# Allegro board FH8856v300_APP_BOARD_V1_PCB.brd
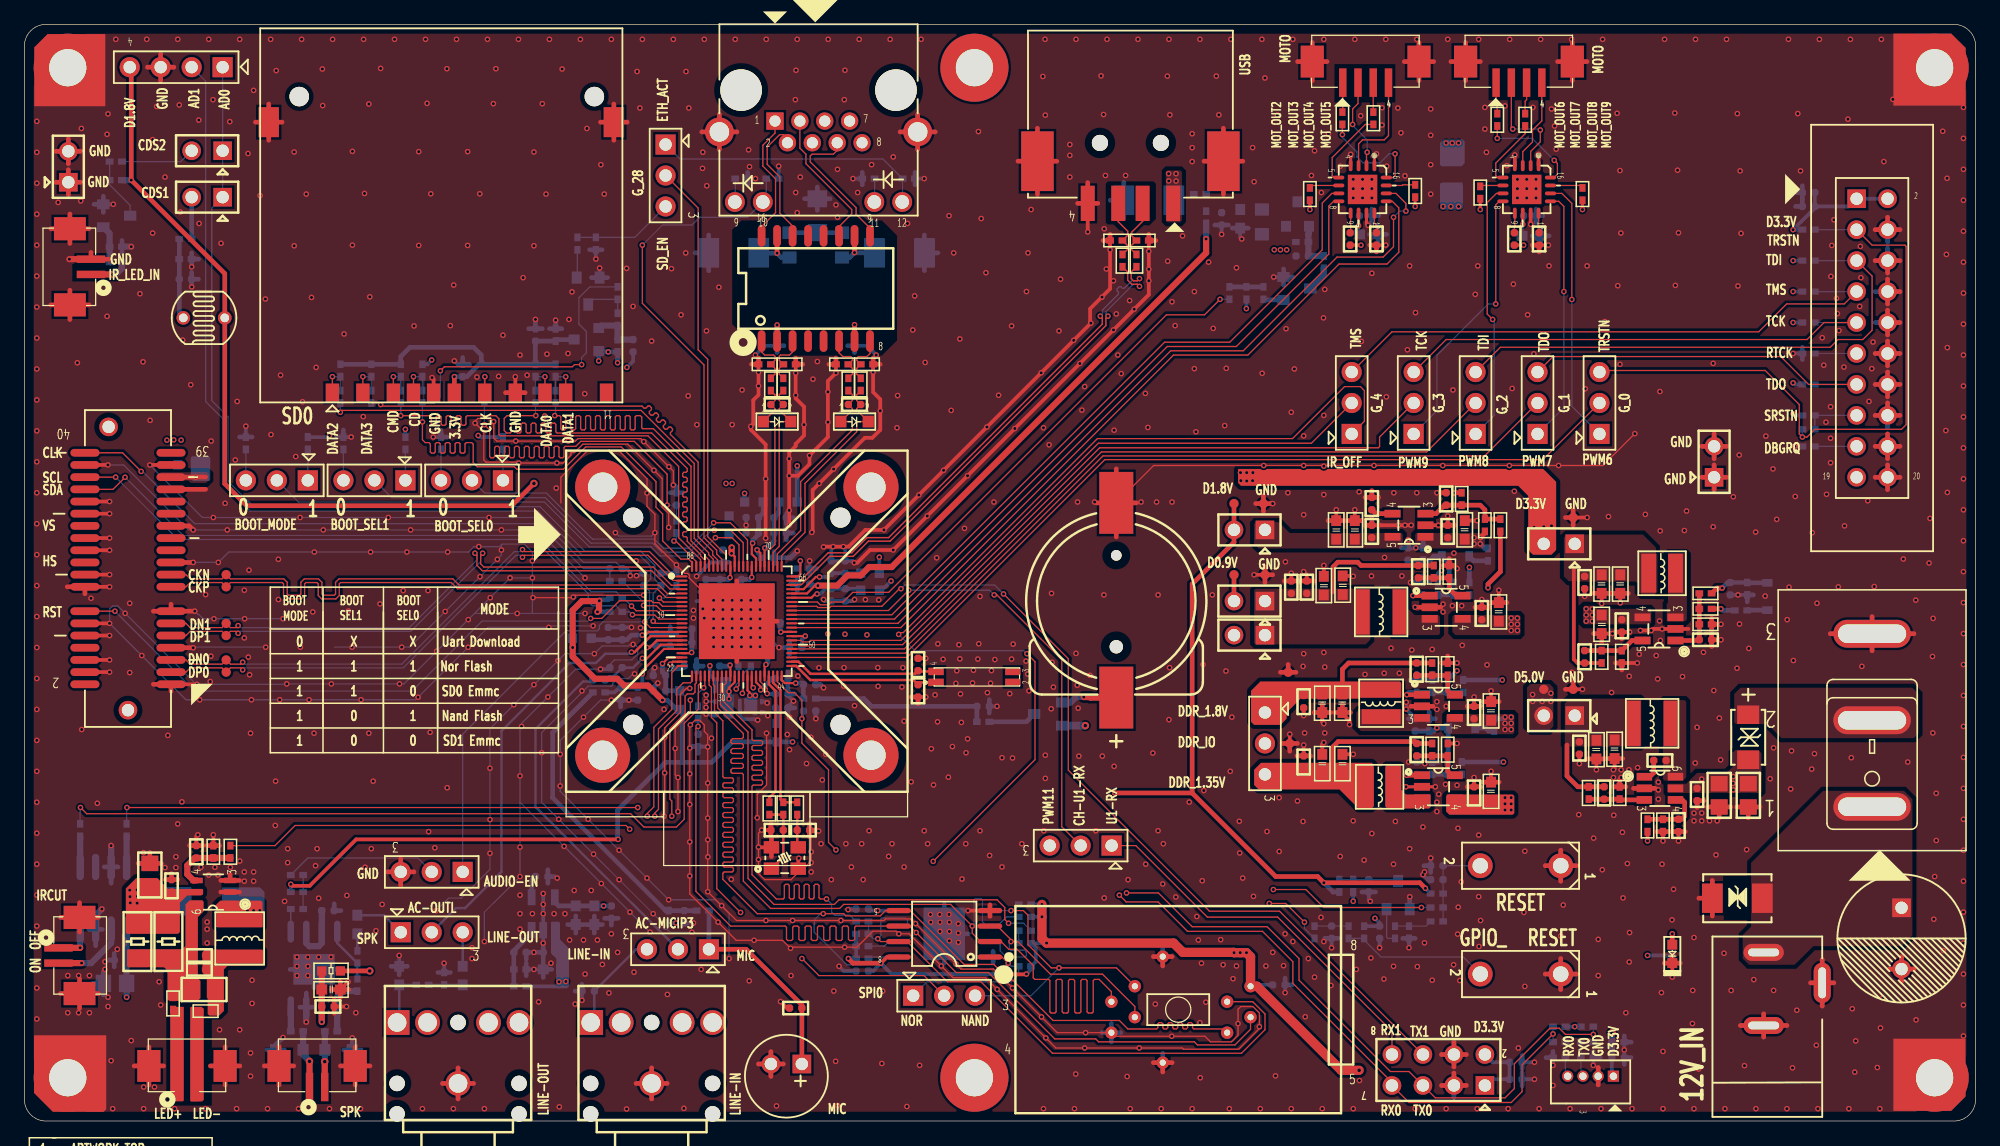
[diagram p0: board, top side]
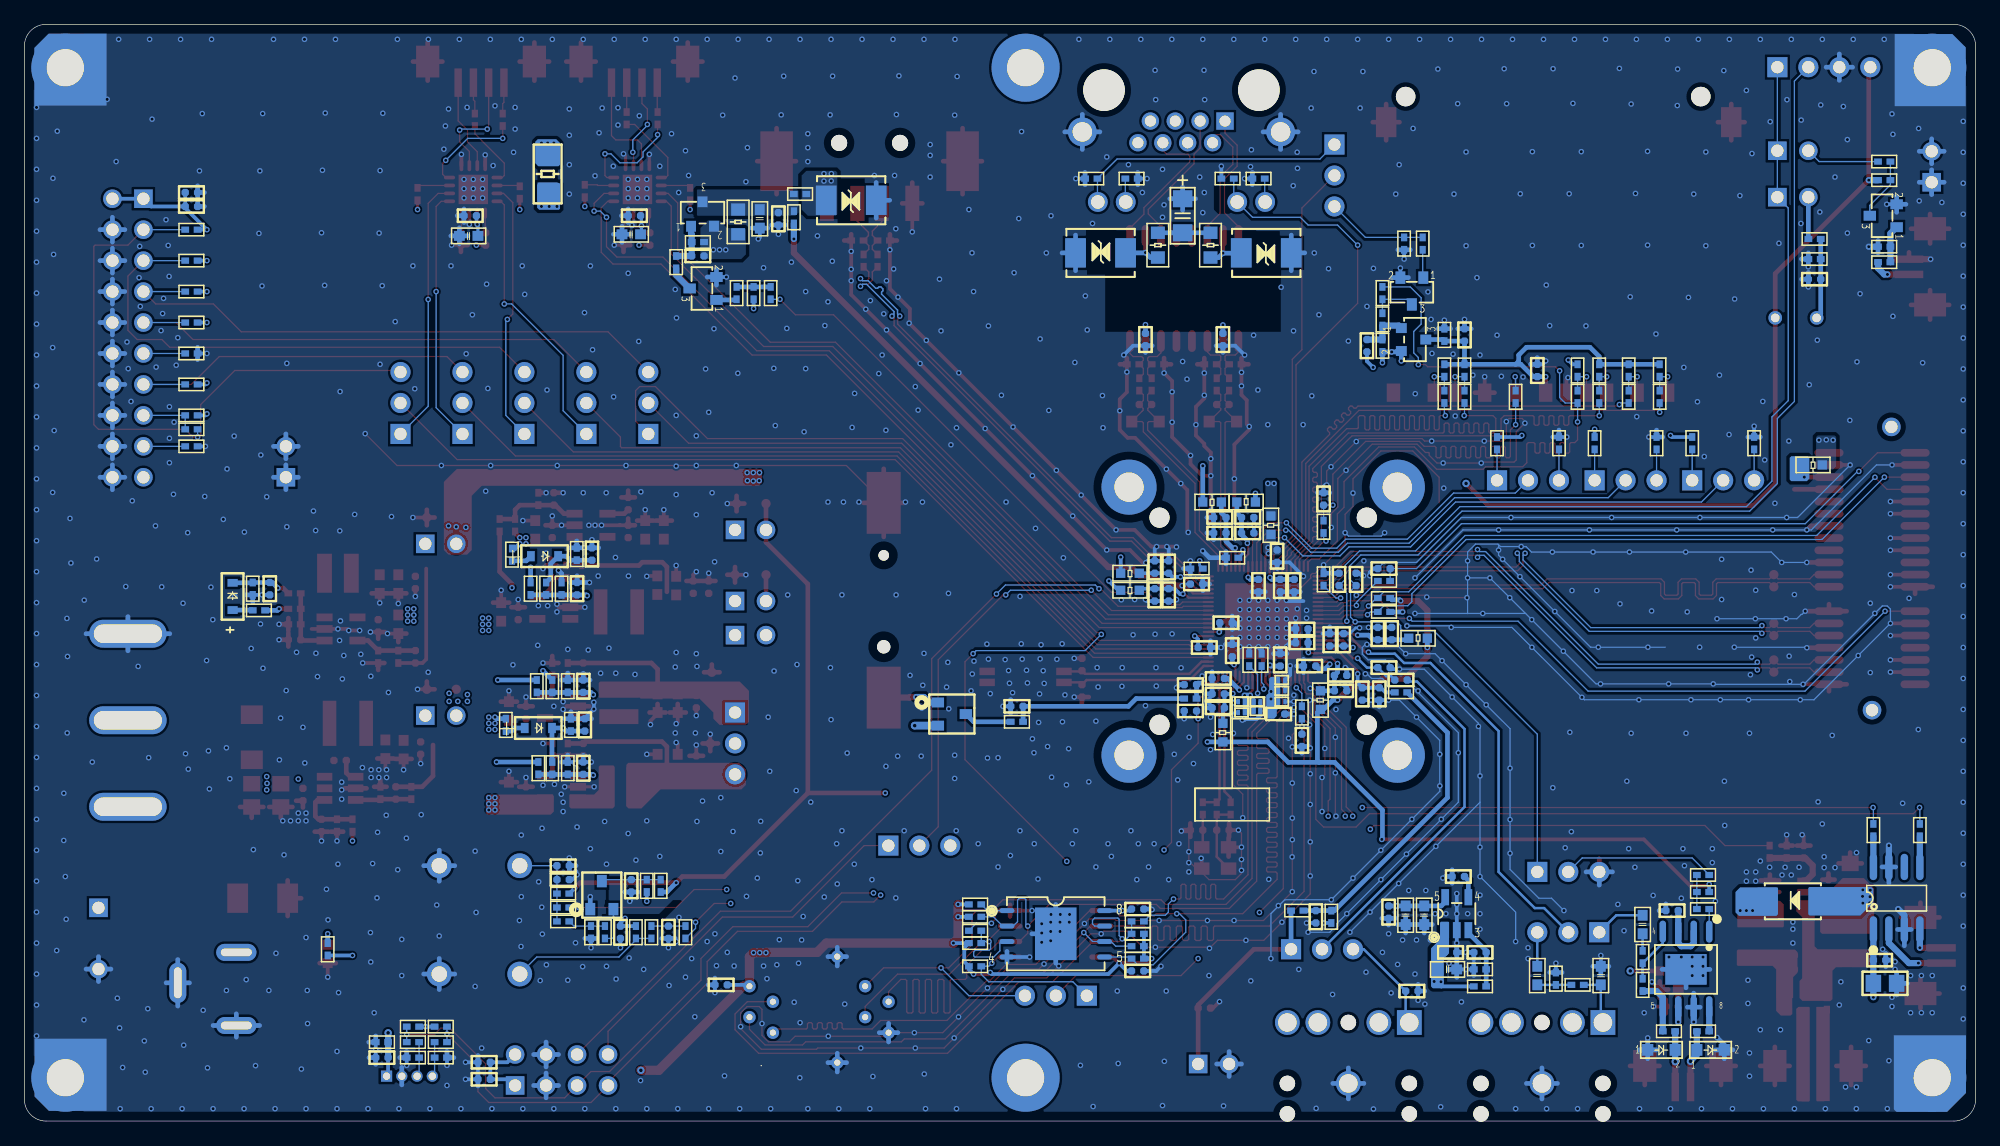
[diagram p1: board, bottom side, seen from below]

Outline 160 x 90 mm; copper layers: TOP, GND, VCC, BOTTOM. Coordinates in mm from the lower left corner of the outline.
Outline path: 0,88.22 arc(0.52,89.48) 1.78,90 158.22,90 arc(159.48,89.48) 160,88.22 160,1.78 arc(159.48,0.52) 158.22,0 1.78,0 arc(0.52,0.52) 0,1.78 0,88.22

## Design rules (mm)
net group ARM_JTAG_TRSTN: nets ARM_JTAG_TRSTN JTAG_SRSTN
net group CDS1: nets CDS1 N00509
net group CIS_CLK: nets CIS_CLK N16786493
net group DDR_D1.8V: nets DDR_D1.8V N15061
net group EN2: nets EN2 N11558
net group EN3: nets EN3 N17828
net group GPIO_RESET: nets GPIO_RESET N06017
net group IR_LED_IN: nets IR_LED_IN N12968
net group MOTO_OUT_2: nets MOTO_OUT_2 N16674187
net group MOTO_OUT_4: nets MOTO_OUT_4 N16674222
net group MOTO_OUT_6: nets MOTO_OUT_6 N16674257
net group MOTO_OUT_8: nets MOTO_OUT_8 N16674292
net group SPI1: nets NOR_CS SPI0_CSN_0
net group USB_PWREN: nets N08717 USB_PWREN
net group USBN: nets USB_DM USBN
net group USBP: nets USB_DP USBP
net group CDS2: nets CDS2 CIS_SCL CIS_SDA N07170 N13141 N16750268 N16750308 N16751673 N16786550 N16786676 N16794051 N16800878
net group CLK_IN: nets CLK_IN CLK_OUT N16795922 N16795926
net group EN1: nets EN1 N15235 N20335
net group EPHY_RXN: nets N16425817
net group EPHY_RXP: nets N16425841
net group EPHY_TXN: nets N16425857
net group EPHY_TXP: nets N16425869
net group HOLD: nets HOLD
net group LAN: nets EPHY_RXN EPHY_RXP EPHY_TXN EPHY_TXP PHY_RN PHY_RP PHY_TN PHY_TP
net group LDO_MICBIAS: nets LDO_MICBIAS N58665 N58697
net group N09603: nets N09603
net group N09903: nets N09903
net group N12324: nets N12328
net group RESETN: nets N06505 N06945 N06949 RESETN
net group RTC_VBAT: nets N16520538 N16795478 RTC_VBAT
net group SD0_3.3V: nets N00760 N00772 N00784 N00796 N00832 N00844 N08811 N09124 SD0_3.3V SD0_CD SD0_CMD SD0_DATA_0 SD0_DATA_1 SD0_DATA_2 SD0_DATA_3
net group SD0_CLK: nets N00808 N16609598 SD0_CLK
net group SPI: nets NAND_CS SPI0_D_2 SPI0_D_3
net group SPI0_CLK: nets N16589672
net group SPI0_D_2: nets WP
net group USB_VBUS: nets USB_VBUS
net group VM: nets N16569733 N16571270 VM

## Placement (name value [footprint] x y rotation side)
BT1  Battery  [BAT-22_8-10]  89.53 42.67 270 top
C1  100nF/10V  [C0402]  134.11 29.59 0 top
C2  100nF/25V  [C0402]  137.16 26.8 270 top
C3  470uF/35V  [DE10MM-H16]  153.92 14.99 270 top
C4  10uF/25V  [C0805]  141.36 26.73 270 top
C5  10uF/25V  [C0805]  138.97 26.73 270 top
C6  22uF/10V  [C0603]  128.91 30.48 270 top
C7  100nF/10V  [C0402]  127.51 30.61 270 top
C8  20pF/50V  [C0402]  129.54 26.92 270 top
C9  10uF/10V  [C0603]  130.4 30.51 270 top
C10  100nF/25V  [C0402]  135.64 24.26 90 top
C11  10uF/10V  [C0603]  129.34 40.77 90 top
C12  100nF/10V  [C0402]  130.99 40.64 90 top
C13  20pF/50V  [C0402]  127.94 38.1 90 top
C14  22uF/6.3V  [C0603]  129.34 44.07 270 top
C15  22uF/6.3V  [C0603]  130.86 44.07 270 top
C16  100nF/6.3V  [C0402]  127.94 44.2 270 top
C17  10uF/10V  [C0603]  118.11 48.51 270 top
C18  100nF/10V  [C0402]  116.71 48.39 270 top
C19  22uF/6.3V  [C0603]  107.57 48.51 90 top
C20  (*)  [C0402]  137.85 39.5 180 top
C21  22uF/6.3V  [C0603]  109.09 48.51 90 top
C22  100nF/6.3V  [C0402]  110.49 48.39 90 top
C23  (*)  [C0402]  116.59 51.05 270 top
C24  10nF/50V  [C0402]  110.49 50.67 90 top
C25  10uF/10V  [C0603]  120.27 33.66 270 top
C26  100nF/10V  [C0402]  118.87 33.53 270 top
C27  20pF/50V  [C0402]  114.17 37.08 270 top
C28  22uF/6.3V  [C0603]  108.08 34.29 270 top
C29  22uF/6.3V  [C0603]  106.43 34.29 270 top
C30  100nF/6.3V  [C0402]  104.9 34.42 270 top
C31  (*)  [C0402]  114.17 35.69 270 bottom
C32  100nF/10V  [C0402]  114.05 32.51 90 bottom
C33  100nF/10V  [C0402]  113.46 46.53 90 bottom
C34  10uF/10V  [C0603]  120.9 41.78 270 top
C35  100nF/10V  [C0402]  119.51 41.66 270 top
C36  20pF/50V  [C0402]  114.3 45.09 270 top
C37  22uF/6.3V  [C0603]  108.1 43.98 90 top
C38  22uF/6.3V  [C0603]  106.55 43.94 90 top
C39  10uF/6.3V  [C0402]  105.16 43.81 90 top
C40  100nF/6.3V  [C0402]  103.89 43.81 90 top
C41  100nF/10V  [C0402]  114.68 43.69 270 bottom
C42  10uF/6.3V  [C0402]  66.17 45.47 90 bottom
C43  100nF/6.3V  [C0402]  67.31 45.47 90 bottom
C44  100nF/6.3V  [C0402]  50.8 44.45 90 bottom
C45  10uF/6.3V  [C0402]  62.1 33.91 180 bottom
C46  10uF/6.3V  [C0402]  62.1 36.32 180 bottom
C47  100nF/6.3V  [C0402]  52.07 35.31 0 bottom
C48  10uF/6.3V  [C0402]  57.15 33.4 180 bottom
C49  10uF/6.3V  [C0402]  67.31 43.18 270 bottom
C50  100nF/6.3V  [C0402]  62.1 35.05 180 bottom
C51  100nF/6.3V  [C0402]  66.17 43.18 270 bottom
C52  15pF/50V  [C0402]  48.51 45.34 180 bottom
C53  10uF/6.3V  [C0402]  49.02 40.01 90 bottom
C54  100nF/6.3V  [C0402]  47.88 40.01 90 bottom
C55  5.6pF/50V  [C0402]  48.51 37.21 180 bottom
C56  1uF/6.3V  [C0402]  47.12 36.2 180 bottom
C57  100nF/6.3V  [C0201]  56.9 34.42 180 bottom
C58  100nF/6.3V  [C0201]  58.93 34.42 180 bottom
C59  1uF/25V  [C0402]  24.89 17.27 180 bottom
C60  100nF/6.3V  [C0402]  102.87 11.18 0 bottom
C61  100nF/6.3V  [C0402]  58.8 43.94 270 bottom
C62  100nF/10V  [C0402]  139.88 43.69 270 bottom
C63  10uF/6.3V  [C0402]  52.07 36.58 0 bottom
C64  10uF/10V  [C0603]  120.27 27.05 270 top
C65  100nF/10V  [C0402]  118.87 26.92 270 top
C66  20pF/50V  [C0402]  114.17 30.48 270 top
C67  22uF/6.3V  [C0603]  108.08 29.34 90 top
C68  22uF/6.3V  [C0603]  106.43 29.34 90 top
C69  100nF/6.3V  [C0402]  104.9 29.46 90 top
C70  (*)  [C0402]  114.17 28.96 270 bottom
C71  10uF/10V  [C0603]  25.15 10.79 180 top
C72  100nF/50V  [C0402]  24.89 9.4 180 top
C73  390nF/25V  [C0603]  27.3 16.13 270 bottom
C74  100nF/6.3V  [C0402]  51.82 39.5 90 bottom
C75  10uF/6.3V  [C0402]  52.96 39.5 90 bottom
C77  100nF/6.3V  [C0402]  64.39 35.81 180 bottom
C78  10pF/50V COG  [C0402]  61.72 23.88 0 top
C79  6.2pF/50V  [C0402]  73.28 35.31 90 top
C80  10pF/50V COG  [C0402]  63.88 23.88 180 top
C81  6.2pF/50V  [C0402]  73.28 37.47 270 top
C82  100nF/6.3V  [C0402]  57.28 46.35 90 bottom
C83  100nF/6.3V  [C0402]  54.61 37.34 180 bottom
C85  100nF/6.3V  [C0402]  63.25 38.86 0 bottom
C86  100nF/25V  [C0402]  14.35 13.59 0 top
C87  100nF/25V  [C0402]  14.1 22.1 90 top
C88  10uF/6.3V  [C0402]  55.24 39.24 0 bottom
C89  100nF/6.3V  [C0402]  55.24 40.39 0 bottom
C90  100nF/6.3V  [C0402]  57.02 43.94 270 bottom
C91  100nF/6.3V  [C0402]  60.96 38.61 90 bottom
C92  100nF/6.3V  [C0402]  61.47 40.89 180 bottom
C93  100nF/6.3V  [C0402]  55.88 43.94 270 bottom
C94  22uF/25V  [C0805]  14.73 10.79 0 top
C95  2.2uF/50V  [C0402]  14.35 12.45 0 top
C96  100nF/6.3V  [C0402]  49.91 63.63 90 bottom
C97  100nF/6.3V  [C0402]  52.2 44.45 90 bottom
C98  100nF/6.3V  [C0201]  58.93 33.66 180 bottom
C99  1uF/10V  [C0402]  104.78 70.99 0 bottom
C100  100nF/6.3V  [C0402]  68.71 12.32 0 bottom
C101  100nF/6.3V  [C0402]  68.71 17.4 180 bottom
C102  100nF/6.3V  [C0402]  78.61 34.04 0 bottom
C103  100nF/6.3V  [C0402]  35.94 61.59 90 bottom
C104  100nF/6.3V  [C0402]  41.91 64.52 90 bottom
C105  10uF/25V  [C0805]  10.29 20.19 90 top
C106  100nF/25V  [C0402]  12.06 19.3 90 top
C107  22uF/10V  [C0603]  43.31 12.45 0 bottom
C108  5.6pF/50V  [C0402]  63.25 9.27 180 top
C109  100nF/10V  [C0402]  43.05 13.84 0 bottom
C110  22uF/6.3V  [C0603]  45.21 16.89 270 bottom
C111  22uF/6.3V  [C0603]  46.74 16.89 270 bottom
C112  100nF/6.3V  [C0402]  48.13 17.14 270 bottom
C113  4.7uF/6.3V  [C0402]  54.1 16.76 270 bottom
C114  4.7uF/6.3V  [C0402]  50.29 35.05 270 bottom
C115  10nF/50V  [C0402]  42.42 20.07 0 bottom
C116  100nF/6.3V  [C0201]  56.9 35.31 180 bottom
C117  100nF/6.3V  [C0201]  56.9 36.2 180 bottom
C118  100nF/10V  [C0402]  40.64 13.84 180 bottom
C119  5.6pF/50V  [C0402]  46.23 10.67 180 bottom
C120  100nF/6.3V  [C0201]  60.2 34.42 0 bottom
C121  100nF/6.3V  [C0201]  60.2 33.53 0 bottom
C122  10uF/6.3V  [C0402]  61.98 48.26 0 bottom
C123  100nF/6.3V  [C0402]  61.98 49.53 0 bottom
C124  10uF/6.3V  [C0402]  59.69 49.53 180 bottom
C125  100nF/6.3V  [C0402]  59.69 48.26 180 bottom
C135  100nF/50V  [C0402]  48.9 35.05 270 bottom
C146  2.2uF/6.3V  [C0603]  35.94 11.94 270 bottom
C147  82nF/50V  [C0603]  30.73 11.94 90 bottom
C148  100nF/6.3V  [C0402]  130.68 5.21 0 bottom
C149  100nF/6.3V  [C0402]  13.21 69.09 0 bottom
C150  100nF/6.3V  [C0402]  146.3 75.06 0 bottom
C151  100nF/6.3V  [C0402]  146.3 76.2 180 bottom
C152  10uF/25V  [C0805]  7.43 11.3 180 bottom
C153  100nF/25V  [C0402]  7.87 13.21 180 bottom
C154  10pF/50V  [C0402]  61.72 58.8 0 top
C155  10pF/50V  [C0402]  68.07 58.8 0 top
C158  100nF/10V  [C0402]  98.17 74.04 270 bottom
C159  10uF/10V  [C0603]  99.69 74.04 270 bottom
C160  100nF/6.3V  [C0402]  111.12 15.49 270 bottom
C161  100nF/6.3V  [C0402]  107.19 15.49 270 bottom
C162  100nF/6.3V  [C0402]  110.24 19.3 270 bottom
C163  (*)  [C0402]  115.82 20.95 180 bottom
C164  100nF/6.3V  [C0402]  115.82 19.81 180 bottom
C165  100nF/25V  [C0402]  61.72 64.14 270 bottom
C166  1nF/2000V  [C1206]  65.02 74.3 270 bottom
C167  100nF/25V  [C0402]  68.07 64.14 270 bottom
C177  15pF/50V  [C0402]  55.24 31.24 270 bottom
C178  15pF/50V  [C0402]  53.47 51.05 90 bottom
C181  10uF/10V  [C0603]  123.57 72.64 180 bottom
C182  100nF/10V  [C0402]  122.17 72.39 270 top
C183  100nF/10V  [C0402]  123.44 74.3 180 bottom
C184  100nF/10V  [C0402]  109.98 74.3 180 bottom
C185  10uF/10V  [C0603]  110.24 72.77 180 bottom
C186  2.2uF/50V  [C0402]  110.87 72.39 270 top
C187  100nF/10V  [C0402]  108.71 72.39 270 top
C188  2.2uF/50V  [C0402]  124.21 72.39 270 top
C190  4.7uF/6.3V  [C0402]  64.39 33.66 180 bottom
C191  10uF/6.3V  [C0402]  57.02 37.85 90 bottom
C194  100nF/6.3V  [C0402]  122.3 3.43 0 bottom
C195  100nF/6.3V  [C0402]  122.3 4.83 180 bottom
C196  100nF/6.3V  [C0402]  63.88 44.07 0 bottom
CN1  Audio  [PHONE_JACK]  51.44 5.59 180 top
CN5  Audio  [PHONE_JACK]  35.56 5.59 180 top
D1  B250A-13F  [DO-214AC]  141.35 31.5 270 top
D2  SMBJ15CA  [DO-214AA]  140.46 18.29 0 top
D3  LED GREEN  [LED0603]  135.13 13.72 270 top
D4  IN4148WS  [SOD-323]  117.86 32.26 0 bottom
D5  IN4148WS  [SOD-323]  117.35 46.35 0 bottom
D6  LBAT54CLT1G  [SOT23]  83.95 33.4 270 bottom
D7  PESD5V0L1BA  [SOD323]  21.74 5.84 180 bottom
D8  ESD5431N  [D0402]  130.68 6.48 0 bottom
D9  ESD5431N  [D0402]  125.86 5.21 0 bottom
D10  ESD5431N  [D0402]  128.14 5.21 180 bottom
D11  IN4148WS  [SOD-323]  142.93 43.05 270 bottom
D12  GL5537-1  [RGL55]  14.73 65.91 180 top
D13  ESD73011N  [D0402]  91.69 72.26 0 top
D14  ESD73011N  [D0402]  89.53 72.26 0 top
D15  4532-470V/P3100SC  [DO-214AA]  58.17 71.25 0 bottom
D16  4532-470V/P3100SC  [DO-214AA]  71.75 71.25 180 bottom
D17  SMBJ15CA  [DO-214AA]  92.2 75.56 0 bottom
D18  PGB1010402NR  [D0402]  60.71 62.1 180 top
D19  ESD5431N  [D0402]  72.52 77.34 180 bottom
D20  UDD32C03L01  [SOD323]  61.72 57.4 0 top
D21  PGB1010402NR  [D0402]  62.74 62.1 0 top
D22  PGB1010402NR  [D0402]  67.06 62.1 180 top
D23  ESD5431N  [D0402]  61.34 77.34 180 bottom
D24  PGB1010402NR  [D0402]  69.09 62.1 0 top
D25  PESD5V0L1BA  [SOD323]  25.76 5.84 180 bottom
D26  IN5819  [DO-214AC-IN5819]  14.99 18.03 180 bottom
D32  UDD32C03L01  [SOD323]  68.07 57.4 0 top
J1  DC005-2.0MM  [DC-3]  142.62 13.84 0 top
J2  MR1-110-C5N-BB  [PS_3PIN-7MM]  151.51 32.89 180 top
J3  MEC1-120-02-F-D-LC  [HEADER20X2_1MM_SMD]  8.49 45.34 180 top
J4  SD Card  [PROCONN_SD]  46.74 84.07 180 top
J5  1.25T-2-2A  [HEADER2_125MM_SMD]  24 2.41 0 top
J6  GMI6027P-2C44DB  [GMI6027P-2C]  62.48 3.68 180 top
J7  1.25T-2-2A  [HEADER2_125MM_SMD]  13.34 2.41 0 top
J12  1.25T-4PL  [HEADER4_125MM]  130.3 3.68 270 top
J13  1.25T-2-2A  [HEADER2_125MM_SMD]  5.84 70.1 90 top
J14  CON4-254MM  [SIP4_254MM]  16.26 86.49 180 top
J15  1.25T-2-2A  [HEADER2_125MM_SMD]  2.41 13.59 270 top
J17  RJ45-B-1*1  [RJ45_LED-1]  61.55 82.07 0 top
J19  1.25T-2-4A  [HEADER4_125MM_SMD]  109.98 84.84 0 top
J20  1.25T-2-4A  [HEADER4_125MM_SMD]  122.56 84.84 0 top
J21  USB-A  [USBX1_SMD]  91.69 75.31 180 top
JP1  2.54MM Needle  [SIP3_254MM]  23.24 52.58 180 top
JP2  2.54MM Needle  [SIP3_254MM]  31.24 52.58 180 top
JP3  2.54MM Needle  [SIP3_254MM]  39.24 52.58 180 top
JP4  2.54MM Needle  [SIP3_254MM]  52.58 80.14 270 top
JP5  2.54MM Needle  [SIP2_254MM]  138.56 52.83 90 top
JP6  2.54MM Needle  [SIP2_254MM]  3.6 77.05 90 top
JP7  2.54MM Needle  [SIP3_254MM]  119 56.39 90 top
JP8  2.54MM Needle  [SIP2_254MM]  127.13 33.27 180 top
JP9  2.54MM Needle  [SIP3_254MM]  113.92 56.39 90 top
JP10  2.54MM Needle  [SIP3_254MM]  108.84 56.39 90 top
JP11  2.54MM Needle  [SIP3_254MM]  129.16 56.39 90 top
JP12  2.54MM Needle  [SIP3_254MM]  124.08 56.39 90 top
JP13  2.54MM Needle  [SIP2_254MM]  127.13 47.37 180 top
JP14  2.54MM Needle  [SIP3_254MM]  72.88 10.29 0 top
JP15  2.54MM Needle  [SIP2_254MM]  101.73 39.88 180 top
JP16  2.54MM Needle  [SIP2_254MM]  101.73 42.67 180 top
JP17  2.54MM Needle  [SIP3_254MM]  56.13 14.1 180 top
JP18  2.54MM Needle  [SIP2_254MM]  101.73 48.51 180 top
JP19  2.54MM Needle  [SIP3_254MM]  101.73 33.53 270 top
JP20  2.54MM Needle  [SIP3_254MM]  35.94 20.45 180 top
JP22  2.54MM Needle  [SIP3_254MM]  89.15 22.61 180 top
JP23  2.54MM Needle  [SIP3_254MM]  30.86 15.49 0 top
JP29  2.54MM Needle  [SIP2_254MM]  16.26 75.82 180 top
JP30  2.54MM Needle  [SIP2_254MM]  16.26 79.63 180 top
L1  WPN4020H4R7MT  [L4X4H3]  133.48 32.64 180 top
L2  SWPA3015S4R7MT  [L3X3H15]  134.29 44.96 180 top
L3  SWPA3015S4R7MT  [L3X3H15]  111.25 34.29 90 top
L4  WPN4020H2R2MT  [L4X4H3]  111.25 41.78 180 top
L5  SWPA3015S4R7MT  [L3X3H15]  111.12 27.43 180 top
L6  SWPA4026S100MT  [L4X4H3]  17.65 14.99 270 top
MQ1  AF2301P  [SOT_23]  45.09 64.14 90 bottom
MQ3  AF2301P  [SOT_23]  104.39 75.44 0 bottom
NOREF  -  []  0 91.82 0 top
NOREF#2  -  []  0 0 90 top
Q1  MMB3904  [SOT23_2]  46.23 68.07 180 bottom
Q3  MMB3904  [SOT23_2]  7.62 74.3 270 bottom
Q4  MMB3904  [SOT23_2]  104.39 68.33 270 bottom
R1  10K 5%  [R0402]  135.13 14.1 270 bottom
R2  47K 5%  [R0402]  133.1 24.26 90 top
R3  100K 1%  [R0402]  128.27 26.92 90 top
R4  10K 5%  [R0402]  134.37 24.26 90 top
R5  13.7K 1%  [R0402]  130.81 26.92 270 top
R6  100K 1%  [R0402]  129.34 38.1 270 top
R7  (*)  [R0402]  137.85 42.04 180 top
R8  (*)  [R0402]  137.85 40.77 180 top
R9  22.1K 1%  [R0402]  130.99 38.1 90 top
R10  (*)  [R0402]  119.76 48.9 90 top
R11  (*)  [R0402]  117.86 51.05 270 top
R12  0R 5%  [R0402]  137.85 43.31 180 top
R13  0R 5%  [R0402]  121.03 48.9 90 top
R14  150K 1%  [R0402]  115.44 37.08 90 top
R15  (*)  [R0402]  117.98 35.69 270 bottom
R16  75K 1%  [R0402]  116.71 37.08 270 top
R17  (*)  [R0402]  115.44 35.69 270 bottom
R18  43K 5%  [R0402]  120.52 32.51 270 bottom
R19  120K 1%  [R0402]  115.19 32.51 90 bottom
R20  0R 5%  [R0402]  116.71 35.69 270 bottom
R21  100K 1%  [R0402]  120.02 46.48 270 bottom
R22  75K 1%  [R0402]  114.71 46.53 90 bottom
R23  59K 1%  [R0402]  115.57 45.09 90 top
R24  (*)  [R0402]  118.49 43.69 270 bottom
R25  (*)  [R0402]  115.95 43.69 270 bottom
R26  110K 1%  [R0402]  116.84 45.09 270 top
R27  10K 5%  [R0402]  117.22 43.69 270 bottom
R28  0R 5%  [R0603]  69.34 44.96 0 bottom
R29  0R 5%  [R0603]  61.72 31.88 90 bottom
R30  0R 5%  [R0603]  69.34 43.56 0 bottom
R31  200R 1%  [R0402]  63.88 45.34 0 bottom
R32  0R 5%  [R0603]  45.72 39.62 180 bottom
R33  22R 5%  [R0402]  48.51 44.32 0 bottom
R34  2.2K 5%  [R0402]  48.51 41.78 0 bottom
R35  2.2K 5%  [R0402]  48.51 42.93 0 bottom
R36  0R 5%  [R0603]  53.72 34.54 90 bottom
R37  0R 5%  [R0402]  64.39 34.67 180 bottom
R38  4.02K 1%  [R0402]  53.47 44.45 270 bottom
R39  0R 5%  [R0402]  61.09 25.65 90 top
R40  1M 5%  [R0402]  62.23 25.65 270 top
R41  22R 5%  [R0402]  63.37 25.65 90 top
R42  10K 5%  [R0402]  23.24 55.63 90 bottom
R43  10K 5%  [R0402]  18.16 55.63 90 bottom
R44  82K 1%  [R0402]  140.77 41.91 0 bottom
R45  10K 5%  [R0402]  31.24 55.63 90 bottom
R46  10K 5%  [R0402]  26.16 55.63 90 bottom
R47  10K 5%  [R0402]  39.24 55.63 90 bottom
R48  10K 5%  [R0402]  34.16 55.63 90 bottom
R49  6.04K 1%  [R0402]  60.96 46.23 0 bottom
R50  0R 5%  [R0603]  13.34 53.85 0 bottom
R51  0R 5%  [R0402]  82.04 15.62 180 bottom
R52  10K 5%  [R0402]  82.04 12.7 180 bottom
R53  10K 5%  [R0402]  82.04 16.76 180 bottom
R54  10K 5%  [R0402]  68.71 15.37 180 bottom
R55  10K 5%  [R0402]  82.04 14.61 180 bottom
R56  10K 5%  [R0402]  68.71 14.35 180 bottom
R57  10K 5%  [R0402]  68.71 13.34 180 bottom
R58  0R 5%  [R0402]  68.71 16.38 180 bottom
R59  10K 5%  [R0402]  82.04 17.78 180 bottom
R60  10K 5%  [R0402]  22.35 18.8 180 bottom
R61  1K 5%  [R0402]  78.61 32.77 0 bottom
R62  0R 5%  [R0402]  22.35 20.19 0 bottom
R63  10K 5%  [R0402]  22.35 17.4 180 bottom
R64  10K 5%  [R0402]  28.45 61.59 270 bottom
R65  10K 5%  [R0402]  25.91 61.59 270 bottom
R66  10K 5%  [R0402]  43.56 61.59 270 bottom
R67  10K 5%  [R0402]  41.91 61.59 270 bottom
R68  22R 5%  [R0402]  41.91 59.44 90 bottom
R69  22R 5%  [R0402]  43.56 59.44 90 bottom
R70  22R 5%  [R0402]  25.91 59.44 90 bottom
R71  22R 5%  [R0402]  28.45 59.44 90 bottom
R72  0R 5%  [R0402]  37.72 59.44 90 bottom
R73  100K 5%  [R0402]  48.64 63.63 270 bottom
R74  100K 5%  [R0402]  43.56 64.52 270 bottom
R75  0R 5%  [R0402]  48.64 67.94 270 bottom
R76  10K 5%  [R0402]  48.64 65.79 270 bottom
R77  22R 5%  [R0402]  32.64 59.44 90 bottom
R78  1K 5%  [R0402]  45.34 72.01 270 bottom
R79  22R 5%  [R0402]  30.86 59.44 90 bottom
R80  4.7K 5%  [R0402]  46.86 72.01 270 bottom
R81  10K 5%  [R0402]  32.64 61.59 270 bottom
R82  10K 5%  [R0402]  30.86 61.59 270 bottom
R83  0R 5%  [R0603]  57.78 48.9 90 bottom
R84  75K 1%  [R0402]  141.28 43.69 270 bottom
R85  150K 1%  [R0402]  115.44 30.48 90 top
R86  (*)  [R0402]  117.86 28.96 270 bottom
R87  (*)  [R0402]  115.44 28.96 270 bottom
R88  120K 1%  [R0402]  116.71 30.48 270 top
R89  0R 5%  [R0402]  116.71 28.96 270 bottom
R90  0R 5%  [R0402]  22.35 7.37 0 bottom
R91  0R 5%  [R0603]  25.15 12.32 0 top
R92  75R 1%  [R0805]  62.74 71.88 270 bottom
R93  20K 1%  [R0402]  27.3 13.46 270 bottom
R94  0R 5%  [R0402]  25.15 7.37 180 bottom
R95  75R 1%  [R0805]  67.06 71.88 270 bottom
R96  0R 5%  [R0603]  62.61 50.8 0 bottom
R97  0R 5%  [R0603]  59.82 50.8 180 bottom
R98  100K 1%  [R0402]  27.3 11.18 270 bottom
R99  0R 5%  [R0402]  12.19 9.65 270 top
R101  10K 5%  [R0402]  106.55 70.48 90 bottom
R102  1K 5%  [R0402]  55.63 17.27 180 bottom
R103  (*1K 5%)  [R0402]  52.83 16.76 270 bottom
R104  10K 5%  [R0402]  15.49 22.1 90 top
R105  10K 5%  [R0402]  40.64 11.05 180 bottom
R106  10K 5%  [R0402]  40.64 12.45 180 bottom
R107  1K 5%  [R0402]  47.12 35.18 0 bottom
R108  1K 5%  [R0402]  16.89 22.1 270 top
R109  0.25R 1%  [R1206]  9.27 14.73 270 top
R110  0.25R 1%  [R1206]  11.81 14.73 270 top
R111  0R 5%  [R0402]  14.86 9.02 180 top
R122  10K 5%  [R0402]  125.86 7.75 0 bottom
R124  10K 5%  [R0402]  128.14 7.75 180 bottom
R125  100R 5%  [R0402]  128.14 6.48 180 bottom
R127  100R 5%  [R0402]  125.86 6.48 0 bottom
R129  100R 5%  [R0402]  13.21 72.39 0 bottom
R130  0R 5%  [R0402]  7.49 78.74 180 bottom
R131  10K 5%  [R0402]  7.49 77.22 0 bottom
R132  100K 1%  [R0402]  13.21 70.74 180 bottom
R133  1K 5%  [R0402]  7.49 70.48 0 bottom
R134  47K 5%  [R0402]  7.49 71.75 0 bottom
R135  10K 5%  [R0402]  146.3 73.15 180 bottom
R136  4.7K 5%  [R0402]  146.3 70.61 180 bottom
R137  4.7K 5%  [R0402]  146.3 68.07 180 bottom
R138  4.7K 5%  [R0402]  146.3 65.53 180 bottom
R139  4.7K 5%  [R0402]  146.3 62.99 180 bottom
R140  (*)  [R0402]  146.3 60.45 180 bottom
R141  (*)  [R0402]  146.3 57.91 180 bottom
R142  4.7K 5%  [R0402]  146.3 55.37 180 bottom
R143  22R 5%  [R0402]  146.3 56.77 0 bottom
R144  1K 5%  [R0402]  8.38 23.88 90 bottom
R145  1K 5%  [R0402]  4.57 23.88 90 bottom
R146  0R 5%  [R0402]  91.19 70.61 90 top
R147  0R 5%  [R0402]  90.04 70.61 90 top
R150  0R 5%  [R0402]  108.08 82.3 90 top
R151  0R 5%  [R0402]  110.62 82.3 90 top
R152  0R 5%  [R0402]  120.78 82.17 90 top
R153  0R 5%  [R0402]  123.06 82.17 90 top
R157  (*)  [R0805]  101.47 73.79 90 bottom
R158  0R 5%  [R0402]  96.9 74.17 270 bottom
R159  100K 5%  [R0402]  104.78 72.14 180 bottom
R160  0R 5%  [R0402]  96.39 76.07 180 bottom
R161  10K 5%  [R0402]  100.2 67.94 270 bottom
R162  0R 5%  [R0402]  98.81 67.94 90 bottom
R163  10K 5%  [R0402]  101.6 67.94 270 bottom
R164  10K 5%  [R0402]  109.86 15.49 270 bottom
R165  1K 5%  [R0402]  108.58 15.49 90 bottom
R166  0R 5%  [R0402]  105.79 15.49 270 bottom
R167  0R 5%  [R0402]  108.97 19.3 90 bottom
R168  (*)  [R0402]  115.82 18.67 180 bottom
R169  (*)  [R0402]  107.82 19.3 90 bottom
R170  1K 5%  [R0402]  112.39 15.49 90 bottom
R171  0R 5%  [R0402]  115.82 16.38 0 bottom
R172  0R 5%  [R0402]  115.82 17.53 180 bottom
R173  1.2K 5%  [R0402]  113.54 15.49 90 bottom
R174  10R 1%  [R0402]  61.21 60.45 270 top
R176  510R 5%  [R0402]  69.22 77.34 0 bottom
R177  10R 1%  [R0402]  62.23 60.45 270 top
R178  10R 1%  [R0402]  67.56 60.45 270 top
R179  510R 5%  [R0402]  58.8 77.34 180 bottom
R181  10R 1%  [R0402]  68.58 60.45 270 top
R203  22R 5%  [R0402]  55.24 33.53 90 bottom
R204  22R 5%  [R0402]  53.47 48.77 270 bottom
R207  10K 5%  [R0402]  127.76 76.07 90 top
R208  (*)  [R0402]  119.38 76.2 90 top
R209  (*)  [R0402]  105.41 76.07 90 top
R210  0R 5%  [R1206]  117.09 77.72 270 bottom
R211  10K 5%  [R0402]  114.05 76.33 90 top
RF1  470R 5%  [R0402]  32.64 11.18 180 bottom
RF2  10K 5%  [R0402]  34.42 11.68 270 bottom
RR2  240R 1%  [R0402]  59.56 37.85 270 bottom
RR3  240R 1%  [R0402]  58.55 37.85 270 bottom
S1  1TS002A-2300-5000  [KEY_2PIN]  122.68 12.06 270 top
S2  1TS002A-2300-5000  [KEY_2PIN]  122.68 20.95 270 top
T1  -  [TP30]  124.59 35.43 270 top
T2  -  [TP30]  127 35.43 270 top
T3  -  [TP30]  124.59 49.53 180 top
T4  -  [TP30]  99.19 50.67 90 top
T5  -  [TP30]  127 49.53 180 top
T6  -  [TP30]  101.6 50.67 90 top
T7  -  [TP30]  103.63 34.8 0 top
T8  -  [TP30]  103.63 36.83 0 top
T9  -  [TP30]  99.19 44.83 90 top
T10  -  [TP30]  101.73 44.83 90 top
T11  Mark Point  [C220D120]  3.56 86.44 0 top
T12  Mark Point  [C220D120]  77.9 86.44 0 top
T13  Mark Point  [C220D120]  156.64 86.44 0 top
T14  Mark Point  [C220D120]  3.56 3.56 0 top